# Altium PCB CP_Electronik.PcbDoc
Units mm, origin at the board's own origin, x right, y up, seen from the top; angles counter-clockwise.
Board outline 153.2 x 53.3 mm, 2 copper layers (Top Layer, Bottom Layer), stack 2.071 mm thick; 72 components, 52 nets, 254 pads, 37 vias.
Unrouted connection lines stored in the file: 6.
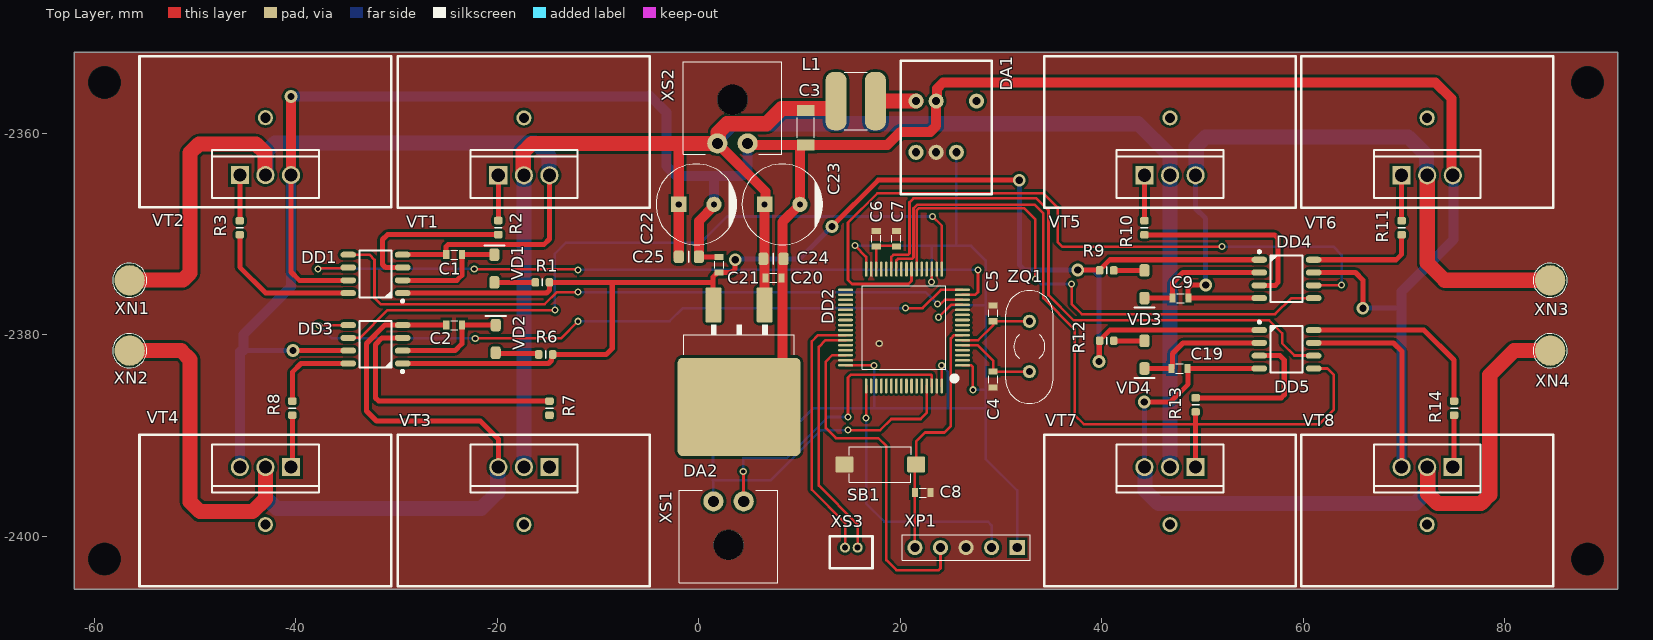
[diagram p0: Top Layer view]
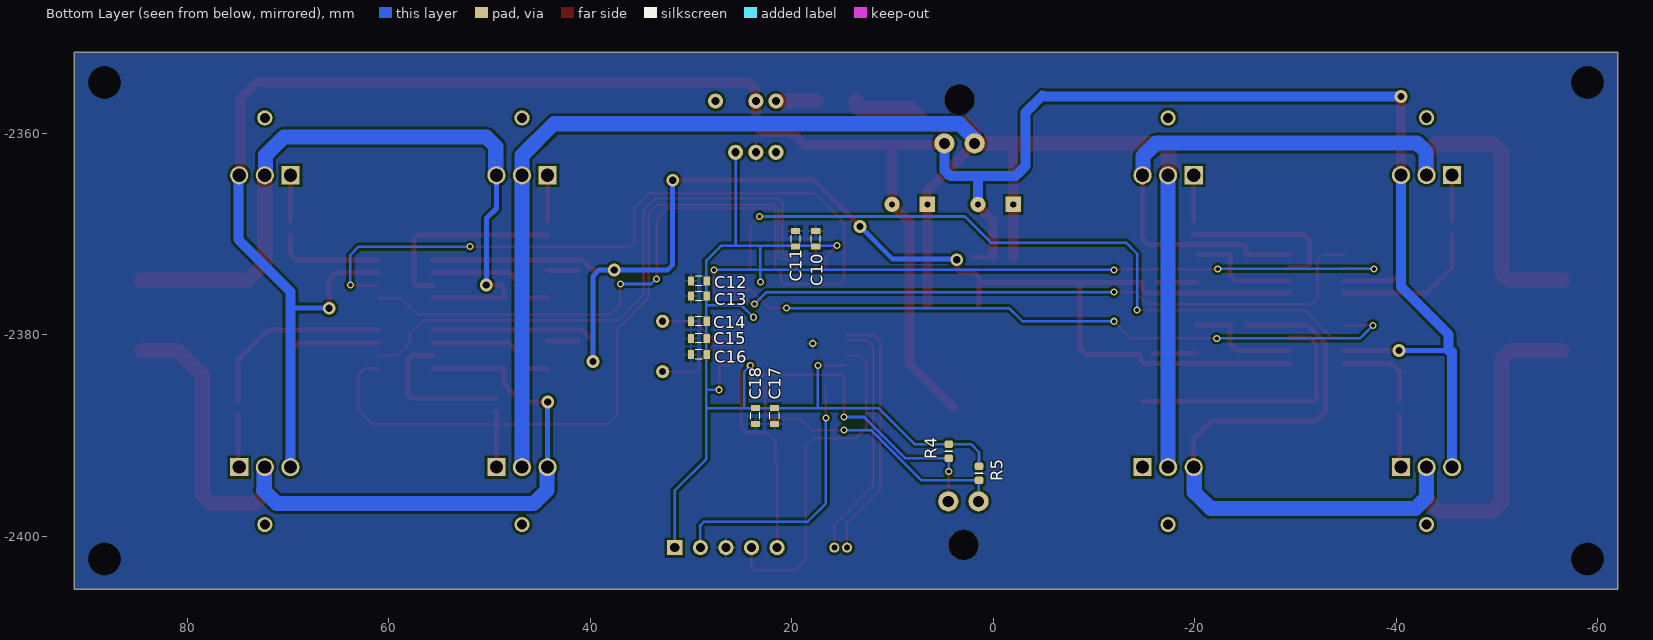
[diagram p1: Bottom Layer view, seen from below]
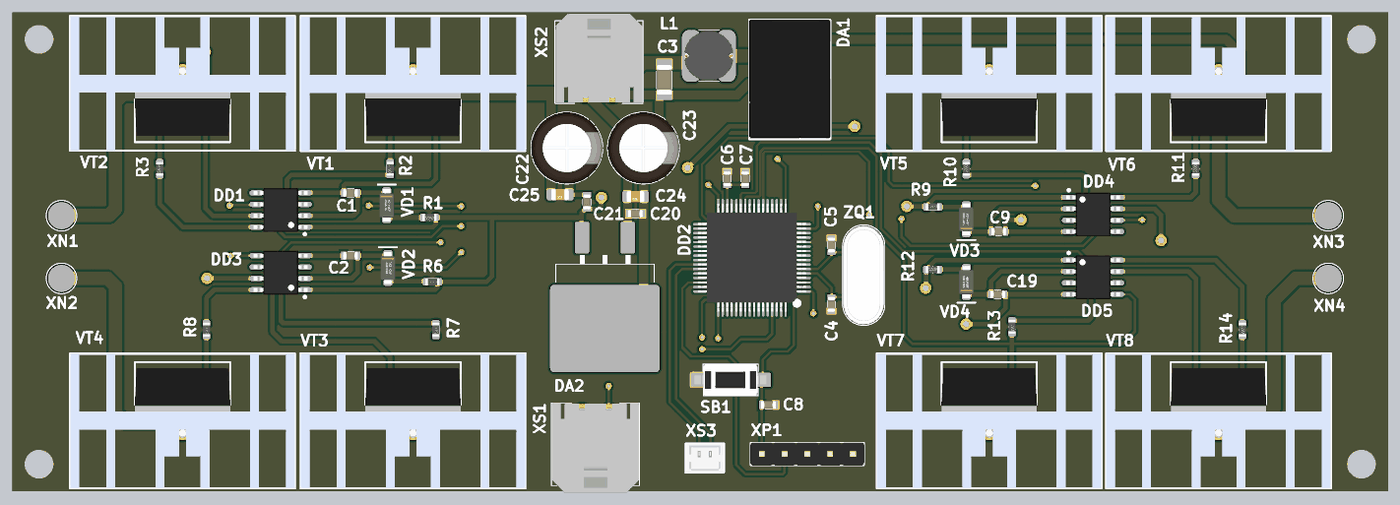
[diagram p2: 3D render of the assembled board from above, using the file's embedded part models]
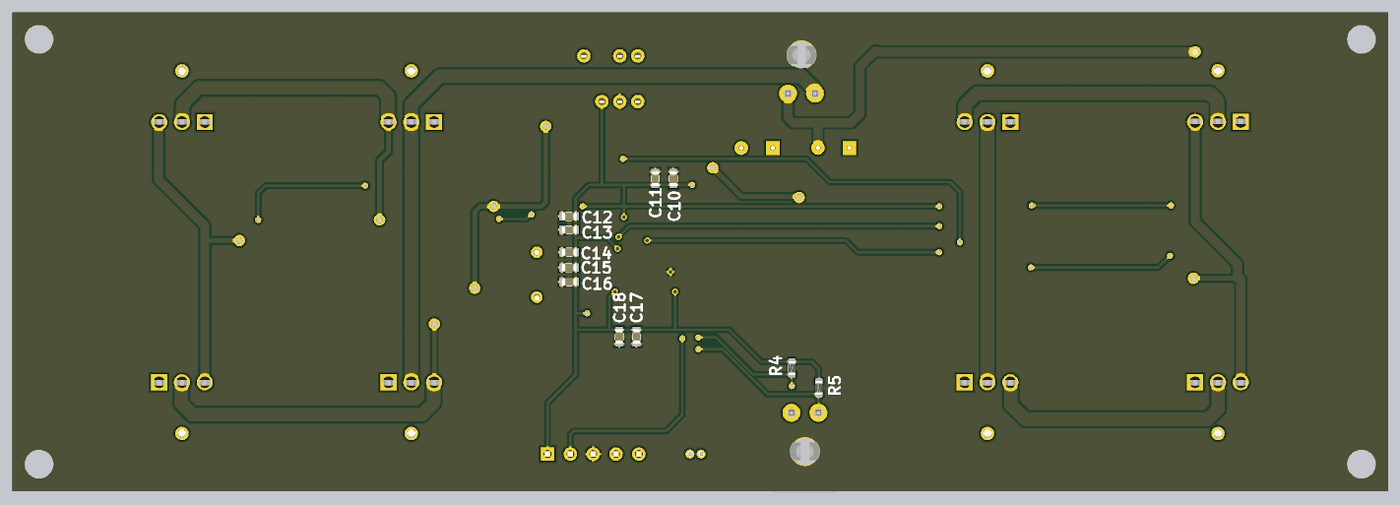
[diagram p3: 3D render of the assembled board from below, using the file's embedded part models]

## Layer stack, top to bottom
Top Solder: solder mask 0.0102, Solder Resist, Dk 3.5
Top Layer: signal copper 0.0356
Dielectric 1: dielectric 2, FR-4, Dk 4.8
Bottom Layer: signal copper 0.0356
Bottom Solder: solder mask 0.0102, Solder Resist, Dk 3.5

## Board outline
-62,-2405.281 -62,-2351.981 91.2,-2351.981 91.2,-2405.281

## Design rules (kind name [scope] priority, off if disabled: settings)
Clearance Clearance_2 [InNamedPolygon('GND_L02_P001')] p1: gap=0.254 ignorepadtopadclearanceinfootprint=FALSE except(0: Arc-Hole Track-Hole SMDPad-Hole THPad-Hole Via-Hole Fill-Hole Poly-Hole Region-Hole Text-Hole)
Clearance Clearance_1 [InNamedPolygon('GND_L01_P000')] p2: gap=0.254 ignorepadtopadclearanceinfootprint=FALSE except(0: Arc-Hole Track-Hole SMDPad-Hole THPad-Hole Via-Hole Fill-Hole Poly-Hole Region-Hole Text-Hole)
Clearance [All] p3 off: gap=0.254 ignorepadtopadclearanceinfootprint=FALSE except(0: Arc-Hole Track-Hole SMDPad-Hole THPad-Hole Via-Hole Fill-Hole Poly-Hole Region-Hole Text-Hole)
Height [All] p1: minheight=0 maxheight=27.94 prefheight=12.7
PolygonConnect PolygonConnect_3 [All vs IsNamedPolygon('GND_L01_P000')] p1: connectstyle=Direct reliefconductorwidth=0.254 reliefentries=4 polygonreliefangle="90 Angle" airgapwidth=0.254
PolygonConnect PolygonConnect_2 [All vs IsNamedPolygon('GND_L01_P000')] p2: connectstyle=Direct reliefconductorwidth=0.254 reliefentries=4 polygonreliefangle="90 Angle" airgapwidth=0.254
PolygonConnect PolygonConnect_1 [All vs IsNamedPolygon('GND_L02_P001')] p3: connectstyle=Relief reliefconductorwidth=0.254 reliefentries=4 polygonreliefangle="90 Angle" airgapwidth=0.254
PolygonConnect [All] p4: connectstyle=Relief reliefconductorwidth=0.254 reliefentries=4 polygonreliefangle="90 Angle" airgapwidth=0.254
RoutingVias [All] p1: holewidth=0.711 width=1.27 viastyle="Through Hole" minholewidth=0.711 minwidth=1.27 maxholewidth=0.711 maxwidth=1.27
SolderMaskExpansion [All] p1: expansion=0.102 istentingtop=FALSE
SupplyNets "Schematic Supply Nets_4" [InNet('GND_24')] p1: voltage=0.000
SupplyNets "Schematic Supply Nets_3" [InNet('GND')] p2: voltage=0.000
SupplyNets "Schematic Supply Nets_2" [InNet('+12 В')] p3: voltage=0.000
SupplyNets "Schematic Supply Nets_1" [InNet('+3.3В')] p4: voltage=0.000
SupplyNets "Schematic Supply Nets" [InNet('+24В')] p5: voltage=0.000
Width [All] p1: maxlimit=2 minlimit=0.1 preferedwidth=0.254 minimp=50.000000 maximp=50.000000 favimp=50.000000
29 further rules are at their usual default settings.

## Classes and differential pairs
component class Block_control: C1 C2 C3 C6 C8 C9 C10 C11 C12 C13 C14 C15 C16 C17 C18 C19 C20 C21 DA1 DA2 DD1 DD2 DD3 DD4 DD5 L1 R1 R2 R3 R4 R5 R6 R7 R8 R9 R10 R11 R12 R13 R14 SB1 VD1 VD2 VD3 VD4 VT1 VT2 VT3 VT4 VT5 VT6 VT7 VT8 XN1 XN2 XN3 XN4 XP1 XS1 XS2 XS3 ZQ1

## Components (designator, comment, footprint, x,y, rotation, side; value= is the part's Value field where it differs from the comment)
C1 "Cap_ceramica_SMD" "0603 Capicator" -24.3,-2372.075 r180 top value=0.15мк
C2 "Cap_ceramica_SMD" "0603 Capicator" -24.3,-2379.06 r180 top value=0.15мк
C3 "Cap_ceramica_SMD" "1206 Capacitor" 10.6,-2359.481 r90 top value=0.1мк
C4 "Cap_ceramica_SMD" "0603 Capicator" 29.2,-2384.461 r270 top value=0.1мк
C5 "Cap_ceramica_SMD" "0603 Capicator" 29.2,-2377.901 r90 top value=0.1мк
C6 "Cap_ceramica_SMD" "0603 Capicator" 17.6,-2370.481 r270 top value=2.2мк
C7 "Cap_ceramica_SMD" "0603 Capicator" 19.604,-2370.481 r270 top value=2.2мк
C8 "Cap_ceramica_SMD" "0603 Capicator" 22.217,-2395.681 r180 top value=0.1мк
C9 "Cap_ceramica_SMD" "0603 Capicator" 47.8,-2376.381 r0 top value=0.15мк
C10 "Cap_ceramica_SMD" "0603 Capicator" 17.6,-2370.481 r270 bottom value=0.1мк
C11 "Cap_ceramica_SMD" "0603 Capicator" 19.604,-2370.481 r270 bottom value=0.1мк
C12 "Cap_ceramica_SMD" "0603 Capicator" 29.2,-2374.681 r180 bottom value=0.1мк
C13 "Cap_ceramica_SMD" "0603 Capicator" 29.2,-2376.181 r180 bottom value=0.1мк
C14 "Cap_ceramica_SMD" "0603 Capicator" 29.2,-2378.681 r180 bottom value=0.1мк
C15 "Cap_ceramica_SMD" "0603 Capicator" 29.2,-2380.381 r180 bottom value=0.1мк
C16 "Cap_ceramica_SMD" "0603 Capicator" 29.2,-2381.981 r180 bottom value=4700
C17 "Cap_ceramica_SMD" "0603 Capicator" 21.7,-2388.081 r90 bottom value=0.1мк
C18 "Cap_ceramica_SMD" "0603 Capicator" 23.604,-2388.081 r90 bottom value=0.1мк
C19 "Cap_ceramica_SMD" "0603 Capicator" 47.7,-2383.37 r0 top value=0.15мк
C20 "Cap_ceramica_SMD" "0603 Capicator" 7.4,-2374.381 r180 top value=0.33мк
C21 "Cap_ceramica_SMD" "0603 Capicator" 2,-2373.061 r270 top value=0.1мк
C22 "ECAP" "ECAP 8x16mm" -2,-2367.081 r0 top
C23 "ECAP" "ECAP 8x16mm" 6.527,-2367.081 r0 top
C24 "Cap_ceramica_SMD" "CAP: 0805 MIN_SILK" 7.4,-2372.481 r180 top value=0.1мк
C25 "Cap_ceramica_SMD" "CAP: 0805 MIN_SILK" -1,-2372.281 r180 top value=0.1мк
DA1 "TDN 1-2410WI" "TDN 1-2410WI" 27.553,-2356.826 r270 top
DA2 "L7812ABD2T-TR" "D2-PAK (TO-262)" 3.987,-2377.055 r180 top
DD1 "IR2011STRPBF" 8-SOIC -32.105,-2373.98 r180 top
DD2 "STM32F401RET6" LQFP64 20.354,-2379.305 r180 top
DD3 "IR2011STRPBF" 8-SOIC -32.105,-2380.965 r180 top
DD4 "IR2011STRPBF" 8-SOIC 58.319,-2374.48 r0 top
DD5 "IR2011STRPBF" 8-SOIC 58.319,-2381.465 r0 top
L1 "22мк" SDR 15.565,-2356.826 r90 top
R1 "4.7" "RES: 0603 Min_Silk" -15.533,-2374.825 r180 top value=4.3
R2 "27" "RES: 0603 Min_Silk" -19.913,-2369.381 r90 top value=22
R3 "27" "RES: 0603 Min_Silk" -45.567,-2369.399 r90 top value=22
R4 "27" "RES: 0603 Min_Silk" 4.4,-2391.581 r90 bottom value=1.1к
R5 "27" "RES: 0603 Min_Silk" 1.4,-2393.781 r90 bottom value=1.1к
R6 "4.7" "RES: 0603 Min_Silk" -15.214,-2381.981 r180 top value=4.3
R7 "27" "RES: 0603 Min_Silk" -14.833,-2387.306 r270 top value=22
R8 "27" "RES: 0603 Min_Silk" -40.36,-2387.306 r270 top value=22
R9 "4.7" "RES: 0603 Min_Silk" 40.477,-2373.635 r0 top value=4.3
R10 "22" "RES: 0603 Min_Silk" 44.222,-2369.399 r90 top
R11 "22" "RES: 0603 Min_Silk" 69.749,-2369.399 r90 top
R12 "4.7" "RES: 0603 Min_Silk" 40.477,-2380.62 r0 top value=4.3
R13 "22" "RES: 0603 Min_Silk" 49.302,-2386.981 r270 top
R14 "22" "RES: 0603 Min_Silk" 74.952,-2387.306 r270 top
SB1 "But" "BUTTON 6x3.5" 14.439,-2392.894 r90 top
VD1 "Schottky Diode" "DIODE: SOD123LF" -20.3,-2373.45 r270 top
VD2 "Schottky Diode" "DIODE: SOD123LF" -20.167,-2380.435 r270 top
VD3 "Schottky Diode" "DIODE: SOD123LF" 44.222,-2375.01 r90 top
VD4 "Schottky Diode" "DIODE: SOD123LF" 44.222,-2381.995 r90 top
VT1 "IRL3705ZPBF" TO-220 -17.373,-2364.192 r0 top
VT2 "IRL3705ZPBF" TO-220 -43.027,-2364.177 r0 top
VT3 "IRL3705ZPBF" TO-220 -17.373,-2393.163 r180 top
VT4 "IRL3705ZPBF" TO-220 -43.027,-2393.163 r180 top
VT5 "IRL3705ZPBF" TO-220 46.762,-2364.192 r0 top
VT6 "IRL3705ZPBF" TO-220 72.289,-2364.192 r0 top
VT7 "IRL3705ZPBF" TO-220 46.762,-2393.163 r180 top
VT8 "IRL3705ZPBF" TO-220 72.289,-2393.163 r180 top
XN1 "Soldered connector" "CON: Pad 3mm" -56.5,-2374.615 r0 top
XN2 "Soldered connector" "CON: Pad 3mm" -56.5,-2381.6 r0 top
XN3 "Soldered connector" "CON: Pad 3mm" 84.5,-2374.615 r0 top
XN4 "Soldered connector" "CON: Pad 3mm" 84.5,-2381.6 r0 top
XP1 "DS1021-1x5" "PLS 5x1" 31.597,-2401.149 r180 top
XS1 "Micro-Fit 3.0" "MolexMicroFit 2x1" 1.447,-2396.557 r0 top
XS2 "Micro-Fit 3.0" "MolexMicroFit 2x1" 4.828,-2361.019 r180 top
XS3 "SCT1251WV-2P" "Con UART" 13.254,-2401.149 r0 top
ZBOAS318886786 "Слой 2" "BOASVIEWlayer:Bottom Layer:2:1:32:1" 0,-275 r0 top (schematic designator fewf)
ZBOAS319293416 "Слой 1" "BOASVIEWlayer:Top Layer:2:1:1:1" 0.1,-106.6 r0 top (schematic designator fewf)
ZBOAS1834697613 "Comment" "BOASVIEWside:Вид платы слева:2:0:0:0" 385,0 r0 top
ZQ1 "Oscillator (4 pin, 2 use)" R38 32.8,-2381.181 r0 top value="8 МГц"

## Footprints (in the part's own frame and the unit in brackets; to place one, negate y for a bottom-side part, rotate by r counter-clockwise, add the part's x,y. Pads: shape width x height; smd on the part's side, far side on the other; paste and mask are expansions set on the pad)
8-SOIC [mm]
  rrect100% 1.55x0.6 smd: 1(-2.7,1.905) 2(-2.7,0.635) 3(-2.7,-0.635) 4(-2.7,-1.905) 5(2.7,-1.905) 6(2.7,-0.635) 7(2.7,0.635) 8(2.7,1.905)
  round 0.7 on Mech1: 28(-2.395,1.8)
  silkscreen extent -2.82,-2.3 1.61,2.82, body extent -3,-2.45 3,2.45, height 1.75
"0603 Capicator" [mm]
  rect 0.6x0.9 smd: 1(-0.78,0) 2(0.78,0)
  silkscreen extent -0.35,-0.45 0.35,0.45, body extent -0.82,-0.45 0.88,0.45, height 0.9
"1206 Capacitor" [mm]
  rect 1.1x1.7 smd: 1(-1.7,0) 2(1.7,0)
  silkscreen extent -1,-0.85 1,0.85, body extent -1.68,-0.87 1.67,0.87, height 1
"BOASVIEWlayer:Bottom Layer:2:1:32:1" [mm]
"BOASVIEWlayer:Top Layer:2:1:1:1" [mm]
"BOASVIEWside:Вид платы слева:2:0:0:0" [mm]
"BUTTON 6x3.5" [mm]
  rrect20% 1.6x1.8 smd: 1(0,0) 2(0,-7.125)
  silkscreen extent -1.75,-6.63 1.75,-0.48, body extent -1.75,-7.52 1.75,0.48, height 4.3
"CAP: 0805 MIN_SILK" [mm]
  rrect50% 1x1.25 smd: 1(-1,0) 2(1,0)
  silkscreen extent 0,-0.55 0,0.55, body extent -1,-0.62 1,0.63, height 0.78
"Con UART" [mm]
  round 1 hole 0.6: 1(1.25,0) 2(2.5,0)
  silkscreen extent -0.28,-2.05 3.98,1.15, body extent -0.28,-2.05 3.97,1.15, height 4.28
"CON: Pad 3mm" [mm]
  round 3 smd: 1(0,0)
  silkscreen extent -1.7,-1.7 1.7,1.7
"D2-PAK (TO-262)" [mm]
  rrect20% 1.6x3.5 smd: 1(-2.54,0) 3(2.54,0)
  rrect10% 12.2x9.75 smd: 2(0,10.125)
  silkscreen extent -5.48,1.92 5.48,4.95, body extent -5.33,-1.27 5.34,13.97, height 4.83
"DIODE: SOD123LF" [mm]
  rrect50% 1.25x1 smd: 1(-1.375,0) 2(1.375,0)
  silkscreen extent -2.3,-1 -2.3,1, body extent -1.8,-0.83 1.8,0.82, height 0.95
"ECAP 8x16mm" [mil]
  round 60 hole 23.62: 1(137.8,0)
  rect 60x60 hole 23.62: 2(0,0)
  silkscreen extent -89,-157 226,157, body extent -89,-157 226,157, height 634
LQFP64 [mm]
  oval 1.5x0.254 smd paste+0 mask+0.02: 1(-5.8,3.75) 2(-5.8,3.25) 3(-5.8,2.75) 4(-5.8,2.25) 5(-5.8,1.75) 6(-5.8,1.25) 7(-5.8,0.75) 8(-5.8,0.25) 9(-5.8,-0.25) 10(-5.8,-0.75) 11(-5.8,-1.25) 12(-5.8,-1.75) 13(-5.8,-2.25) 14(-5.8,-2.75) 15(-5.8,-3.25) 16(-5.8,-3.75) 33(5.8,-3.75) 34(5.8,-3.25) 35(5.8,-2.75) 36(5.8,-2.25) 37(5.8,-1.75) 38(5.8,-1.25) 39(5.8,-0.75) 40(5.8,-0.25) 41(5.8,0.25) 42(5.8,0.75) 43(5.8,1.25) 44(5.8,1.75) 45(5.8,2.25) 46(5.8,2.75) 47(5.8,3.25) 48(5.8,3.75)
  oval 0.254x1.5 smd paste+0 mask+0.02: 17(-3.75,-5.8) 18(-3.25,-5.8) 19(-2.75,-5.8) 20(-2.25,-5.8) 21(-1.75,-5.8) 22(-1.25,-5.8) 23(-0.75,-5.8) 24(-0.25,-5.8) 25(0.25,-5.8) 26(0.75,-5.8) 27(1.25,-5.8) 28(1.75,-5.8) 29(2.25,-5.8) 30(2.75,-5.8) 31(3.25,-5.8) 32(3.75,-5.8) 49(3.75,5.8) 50(3.25,5.8) 51(2.75,5.8) 52(2.25,5.8) 53(1.75,5.8) 54(1.25,5.8) 55(0.75,5.8) 56(0.25,5.8) 57(-0.25,5.8) 58(-0.75,5.8) 59(-1.25,5.8) 60(-1.75,5.8) 61(-2.25,5.8) 62(-2.75,5.8) 63(-3.25,5.8) 64(-3.75,5.8)
  silkscreen extent -5.2,-4.15 4.15,5.25, body extent -6,-6.02 6,5.98, height 1.56
"MolexMicroFit 2x1" [mm]
  round 2 hole 1.1: 1(3,0) 2(0,0)
  round 3 hole 3: A(1.5,-4.32)
  silkscreen extent -3.4,-8.1 6.4,1.1, body extent -3.33,-8.9 6.33,1, height 5.64
"PLS 5x1" [mm] "Connector; Header; 5 Position"
  rect 1.5x1.5 hole 0.9: 1(0,0)
  round 1.5 hole 0.9: 2(2.54,0) 3(5.08,0) 4(7.62,0) 5(10.16,0)
  silkscreen extent -1.27,-1.27 11.43,1.27, body extent -1.28,-1.28 11.42,1.26, height 8.54
R38 [mm] "Crystal"
  round 1.3 hole 0.7: 1(0,2.5) 2(0,-2.5)
  silkscreen extent -2.35,-5.65 2.35,5.55, body extent -2.26,-5.56 2.24,5.44, height 4
"RES: 0603 Min_Silk" [mm]
  rrect50% 0.75x0.85 smd: 1(-0.7,0) 2(0.7,0)
  silkscreen extent 0,-0.35 0,0.35, body extent -0.8,-0.4 0.8,0.4, height 0.44
SDR [mm]
  rrect80% 5.8x2.1 smd: 1(0,1.95) 2(0,-1.95)
  silkscreen extent -2.85,-1.12 2.85,1.12, body extent -2.8,-2.75 2.8,2.75, height 4.55
"TDN 1-2410WI" [mm]
  round 1.5 hole 0.8: 1(0,-6) 2(0,-4) 4(0,0) 5(5.08,-6) 6(5.08,-4) 7(5.08,-2)
  silkscreen extent -4,-7.5 9.25,1.5, body extent -4.02,-7.54 9.18,1.56, height 10.07
TO-220 [mm] "TO, Thru-Hole, Vertical, Heatsink Mounted; 3 In-Line Leads; Pitch 2.54 mm"
  rect 1.8x1.8 hole 1.3: 1(-2.54,0)
  round 1.8 hole 1.3: 2(2.54,0) 3(0,0)
  round 1.5 hole 1: 4(0,5.7)
  silkscreen extent -12.5,-3.2 12.5,11.8, body extent -12.5,-3.25 12.5,11.75, height 26.5

## Part data
C1 C2 C3 C4 C5 C6 C7 C8 C9 C10 C11 C12 C13 C14 C15 C17 C18 C19 C20 C21 C24 C25: library part Cap_ceramica_SMD_2, "Capacitor ceramic SMD", Part Number=CL05B104KP5NNNC, Voltage=10
C16: library part Cap_ceramica_SMD_1, "Capacitor ceramic SMD", Part Number=CL05B471KB5NNNC, Voltage=50
DA1: library part "TDL 2-2410"
DA2: "LDO Regulator", Part Number=L7812ABD2T-TR
DD1 DD3 DD4 DD5: "HIGH AND LOW SIDE DRIVER", Part Number=IRS21867S
L1: library part "Inductor 10uH (1.5A)", "10uH, D=5.8mm, 1450mA", Manufacturer="TCK-130 [] TRACOPOWER", Part Number=SDR0604-100ML, ComponentLink1Description=DataSheet, ComponentLink1URL=http://www.farnell.com/datasheets/1635216.pdf, ComponentLink2Description=Chip&Dip, ComponentLink2URL=https://www.chipdip.ru/product/sdr0604-100ml, Type=Inductor
R1 R2 R3 R4 R5 R6 R7 R8 R9 R10 R11 R12 R13 R14: library part Resistor_SMD_1, "Resistor SMD", Part Number=ERJPA3J1R8V
SB1: library part "Button 2 Conn", "Button 2 Conn SMD", Manufacturer="KLS electronic co ltd", Part Number=L-KLS7-TS3608-5.0-180, ComponentLink1Description=Chip&Dip, ComponentLink1URL=https://www.chipdip.ru/product/kls7-ts3608-5.0-180-td-02xa, Type=Button
VD1 VD2 VD3 VD4: Part Number=MBR130LSFT1G
VT1 VT2 VT3 VT4 VT5 VT6 VT7 VT8: library part MOSFET
XP1: library part "4-pin (Female)", Part Number=PBS-4, Pin 1="+3.3 В", Pin 2=SWDIO, Pin 3=SWCLK, Pin 4=GND
XS1: library part "Con I2C", Parameter 1=0603
XS2: library part "Con 2 MicroFit"
XS3: library part "Con UART"
ZQ1: "Quartz Crystal", Part Number=1C208000CE0Q

## Free pads (board coordinates)
  round 1.524 hole 3.2: 3(-59,-2402.281) 3(-59,-2354.981) 3(88.2,-2402.281) 3(88.2,-2354.981)

## Via types
v1: diameter 0.7, hole 0.4, Top Layer to Bottom Layer, 27 vias
v2: diameter 1.27, hole 0.711, Top Layer to Bottom Layer, 10 vias

## Nets (pads, with @x,y where several pads share a name; then routed paths per layer and width w, separated by ;. In a path a pad name is that pad's centre, name@x,y a point inside that pad or via, vN(x,y) a via of type N, cw(c..) or ccw(c..) an arc to the next point about the centre after c; other vN are vias at no path point)
+3.3В: C10.2 C11.2 C12.2 C13.2 C14.2 C15.2 C16.2 C17.2 C18.2 DA1.7 DD2.1 DD2.13 DD2.19 DD2.32 DD2.48 DD2.64 R4.2 R5.2 XP1.1 | length 112.2
  Top Layer w0.254: DD2.48 17.374,-2383.055 v1(17.4,-2383.081) ; v1(15.5,-2371.181) 16.604,-2372.285 DD2.32 ; v1(23.1,-2374.781) 23.104,-2374.777 DD2.19 ; v1(23.8,-2378.281) 25.026,-2377.055 DD2.13 ; v1(24.102,-2383.083) 24.104,-2383.085 DD2.64 ; DD2.1 27.051,-2383.055 27.2,-2383.204 v1(27.2,-2385.481)
  Bottom Layer w0.254: R5.2 1.4,-2391.681 2.2,-2390.881 R4.2 7.8,-2390.881 11.375,-2387.306 17.4,-2387.306 ; v1(15.5,-2371.181) 15.514,-2371.195 17.6,-2371.195 19.604,-2371.195 23.077,-2371.195 ; v1(17.4,-2383.081) 17.4,-2387.306 ; v1(23.1,-2374.781) 23.1,-2371.218 23.077,-2371.195 ; v1(23.8,-2378.281) 25,-2377.081 28.464,-2377.081 ; v1(24.102,-2383.083) 24.7,-2383.681 24.7,-2387.252 24.646,-2387.306 ; DA1.7 25.553,-2371.156 25.593,-2371.195 ; v1(27.2,-2385.481) 28.464,-2385.481 ; 28.464,-2382.988 28.464,-2385.481 ; C14.2@28.464,-2378.289 28.464,-2377.081 ; XP1.1 31.597,-2395.478 28.464,-2392.345 28.464,-2387.281 ; 17.4,-2387.306 24.646,-2387.306 ; 23.077,-2371.195 24.171,-2371.195 25.593,-2371.195 ; 24.646,-2387.306 28.439,-2387.306 28.464,-2387.281 ; 25.593,-2371.195 27.014,-2371.195 28.464,-2372.645 28.464,-2374.681 28.464,-2376.181 28.464,-2377.081 ; 28.464,-2387.281 28.464,-2385.481
"+12 В": C21.2 DA2.3 DD1.1 DD3.1 DD4.1 DD5.1 R1.1 R6.1 R9.1 R12.1 | length 159.8
  Top Layer w0.5: DD3.1 -14.932,-2382.87 -14.639,-2382.577 -14.639,-2382.106 R6.1 -9.2,-2381.981 -8.6,-2381.381 -8.6,-2374.925 -8.5,-2374.825 ; DD1.1 -15.126,-2375.885 -14.833,-2375.592 R1.1 -8.5,-2374.825 ; DA2.3 1.38,-2376.988 1.38,-2374.825 ; v2(3.6,-2372.581) 3.6,-2373.481 3.24,-2373.841 C21.2 1.85,-2373.841 1.38,-2374.312 1.38,-2374.825 ; v2(13.2,-2369.281) 17.8,-2364.681 v2(31.8,-2364.681) ; v2(37.6,-2373.581) 37.627,-2373.608 39.75,-2373.608 R9.1 39.777,-2373.585 40.787,-2372.575 DD4.1 ; v2(39.7,-2382.681) 39.739,-2382.643 39.739,-2380.659 R12.1 39.777,-2380.57 40.787,-2379.56 DD5.1 ; -8.5,-2374.825 1.38,-2374.825
  Bottom Layer w0.5: v2(3.6,-2372.581) 3.7,-2372.481 10,-2372.481 v2(13.2,-2369.281) ; v2(31.8,-2364.681) 31.8,-2373.081 32.3,-2373.581 v2(37.6,-2373.581) 39.1,-2373.581 39.7,-2374.181 v2(39.7,-2382.681)
+24В: C3.2 C20.2 C22.2 C23.2 C24.2 C25.2 DA2.1 L1.1 VT1.3 VT3.3 VT5.3 VT7.3 XS2.1 | length 172.7
  Top Layer w1: -2.1,-2361.019 -2,-2361.119 C22.2 C25.2 ; XS2.1 6.6,-2365.791 C23.2@6.6,-2366.94 ; DA2.1 C23.2
  Top Layer w1.5: VT1.3 -17.43,-2364.135 -17.43,-2361.898 -16.552,-2361.019 -2.1,-2361.019 XS2.1 1.924,-2360.923 1.924,-2359.96 2.802,-2359.081 6.7,-2359.081 8.2,-2357.581 13.322,-2357.581 13.615,-2357.288 L1.1
  Bottom Layer w1.5: VT3.3 VT1.3 ; XS2.1 1.924,-2360.923 1.924,-2360.514 3.357,-2359.081 43.6,-2359.081 46.762,-2362.243 VT5.3 VT7.3
GND: C4.2 C5.2 C6.1 C7.1 C8.1 C10.1 C11.1 C12.1 C13.1 C14.1 C15.1 C16.1 C17.1 C18.1 DA1.6 DD2.12 DD2.18 DD2.31 DD2.47 DD2.63 SB1.1 XP1.3 | length 4.7
  Bottom Layer w0.254: 28.464,-2382.988 28.464,-2380.639 28.464,-2378.289
  other v1: 17.9,-2380.881
GND_24: C3.1 C20.1 C21.1 C22.1 C23.1 C24.1 C25.1 DA1.2 DA2.2 DD1.7 DD3.7 DD4.7 DD5.7 VT2.2 VT4.2 VT6.2 VT8.2 XS2.2 | length 305.6
  Top Layer w0.5: VT2.2 -40.487,-2373.794 -39.666,-2374.615 DD1.7 ; v2(-40.3,-2381.581) -40.291,-2381.591 -34.814,-2381.591 DD3.7 ; C25.1 C21.1 ; DD5.7 68.949,-2380.83 69.8,-2381.681 69.8,-2393.112 VT8.2 ; DD4.7 65.164,-2373.845 65.9,-2374.581 v2(65.9,-2377.381)
  Top Layer w1: v2(-40.5,-2356.381) -40.493,-2356.388 -40.493,-2364.171 VT2.2 ; C25.1 0,-2368.723 1.5,-2367.223 C22.1 ; DA2.2 8.3,-2382.867 8.3,-2368.808 C23.1 10.027,-2361.254 C3.1@10.1,-2361.181 ; XS2.2 4.99,-2361.181 C3.1@10.1,-2361.181 ; C3.1@10.45,-2361.231 C3.1@10.4,-2361.181 ; VT6.2 74.7,-2364.063 74.7,-2356.581 73.1,-2354.981 24.234,-2354.981 23.649,-2355.567 23.649,-2356.73 DA1.2 23.553,-2359.295 22.967,-2359.881 20,-2359.881 18.7,-2361.181 C3.1 C3.1@10.4,-2361.181 ; C3.1@10.1,-2361.181 C3.1@10.4,-2361.181
  Bottom Layer w0.5: -45.567,-2381.681 -45.467,-2381.581 v2(-40.3,-2381.581) ; v2(65.9,-2377.381) 69.749,-2377.381
  Bottom Layer w1: VT4.2 -45.567,-2381.681 ; -45.2,-2381.581 -45.2,-2379.981 -40.487,-2375.268 VT2.2 ; v2(-40.5,-2356.381) -5,-2356.381 -4.9,-2356.281 -3.2,-2357.981 -3.2,-2363.281 -2.2,-2364.281 1.5,-2364.281 ; C22.1 1.5,-2364.281 ; XS2.2 4.828,-2363.695 4.242,-2364.281 1.5,-2364.281 ; VT8.2 69.749,-2377.381 69.749,-2375.732 74.9,-2370.581 74.9,-2364.263 VT6.2
HIN1_Motor1: DD1.5 DD2.14 | length 66.4
  Top Layer w0.254: DD1.5 -32.706,-2372.075 -32.2,-2372.581 -32.2,-2376.381 -31.6,-2376.981 -15.3,-2376.981 -14.1,-2375.781 v1(-12,-2375.781) ; v1(23.7,-2376.981) 23.975,-2376.981 24.401,-2376.555 DD2.14
  Bottom Layer w0.254: v1(-12,-2375.781) 22.5,-2375.781 v1(23.7,-2376.981)
HIN1_Motor2: DD2.22 DD4.5 | length 55
  Top Layer w0.254: DD2.22 21.604,-2367.677 21.8,-2367.481 32.3,-2367.481 33.4,-2368.581 v1(33.4,-2374.481) ; v1(37,-2374.981) 37,-2376.981 38,-2377.981 57.2,-2377.981 58.8,-2376.381 61.015,-2376.381 DD4.5
  Bottom Layer w0.254: v1(33.4,-2374.481) 33.434,-2374.481 33.934,-2374.981 v1(37,-2374.981)
HIN2_Motor1: DD2.16 DD3.5 | length 69.3
  Top Layer w0.254: v1(-37.7,-2379.081) -37.689,-2379.071 -34.816,-2379.071 DD3.5 ; v1(-22.2,-2380.381) -13.7,-2380.381 v1(-12,-2378.681) ; v1(20.5,-2377.381) 22.2,-2377.381 24.026,-2375.555 DD2.16
  Bottom Layer w0.254: v1(-37.7,-2379.081) -36.4,-2380.381 v1(-22.2,-2380.381) ; v1(-12,-2378.681) -2.9,-2378.681 -1.6,-2377.381 v1(20.5,-2377.381)
HIN2_Motor2: DD2.26 DD5.5 | length 74.6
  Top Layer w0.254: DD2.26 19.604,-2372.63 19.753,-2372.481 21.151,-2372.481 21.3,-2372.332 21.3,-2367.481 21.651,-2367.13 33.349,-2367.13 34.2,-2367.981 34.2,-2376.381 37.3,-2379.481 37.3,-2387.981 38.2,-2388.881 61.6,-2388.881 63,-2387.481 63,-2383.981 62.389,-2383.37 DD5.5
I2C_SCL: DD2.61 R5.1 XS1.2 | length 28.7
  Top Layer w0.254: v1(14.8,-2389.481) 18,-2389.481 19.1,-2388.381 22,-2388.381 22.604,-2387.777 DD2.61
  Bottom Layer w0.254: XS1.2 1.423,-2396.534 1.423,-2394.505 R5.1 7.1,-2394.481 12.1,-2389.481 v1(14.8,-2389.481)
I2C_SDA: DD2.62 R4.1 XS1.1 | length 29.8
  Top Layer w0.254: v1(4.4,-2393.581) 4.423,-2393.605 4.423,-2396.534 XS1.1 ; v1(14.8,-2388.181) 14.8,-2384.281 15.1,-2383.981 23.055,-2383.981 23.104,-2384.03 DD2.62
  Bottom Layer w0.254: v1(4.4,-2393.581) R4.1 8.7,-2392.281 12.8,-2388.181 v1(14.8,-2388.181)
LIN1_Motor1: DD1.6 DD2.15 | length 72.5
  Top Layer w0.254: v1(-37.8,-2373.481) -37.73,-2373.411 -34.871,-2373.411 DD1.6 ; v1(-22.3,-2373.481) -22.25,-2373.531 -12.05,-2373.531 v1(-12,-2373.581) ; DD2.15 27.426,-2376.055 27.7,-2375.781 v1(27.7,-2373.581)
  Bottom Layer w0.254: v1(-37.8,-2373.481) v1(-22.3,-2373.481) ; v1(-12,-2373.581) v1(27.7,-2373.581)
LIN1_Motor2: DD2.23 DD4.6 | length 74
  Top Layer w0.254: DD2.23 21.104,-2374.677 20.8,-2374.981 15.2,-2374.981 14.8,-2374.581 14.8,-2368.881 17.7,-2365.981 34.2,-2365.981 35.6,-2367.381 35.6,-2370.832 36.049,-2371.281 v1(51.9,-2371.281) ; DD4.6 61.036,-2375.098 63.783,-2375.098 v1(63.8,-2375.081)
  Bottom Layer w0.254: v1(51.9,-2371.281) 63,-2371.281 63.8,-2372.081 v1(63.8,-2375.081)
LIN2_Motor1: DD2.17 DD3.6 | length 71.9
  Top Layer w0.254: DD3.6 -33.649,-2380.33 -30.9,-2377.581 v1(-14.3,-2377.581) ; v1(23.2,-2368.281) 24.104,-2369.185 DD2.17
  Bottom Layer w0.254: v1(-14.3,-2377.581) -14.3,-2371.981 -13.2,-2370.881 0.2,-2370.881 2.8,-2368.281 v1(23.2,-2368.281)
LIN2_Motor2: DD2.27 DD5.6 | length 60.5
  Top Layer w0.254: DD2.27 19.104,-2372.277 19.3,-2372.081 20.751,-2372.081 20.9,-2371.932 20.9,-2366.881 21.3,-2366.481 33.5,-2366.481 34.7,-2367.681 34.7,-2376.081 37.2,-2378.581 56.6,-2378.581 57.9,-2379.881 57.9,-2380.881 59.1,-2382.081 61,-2382.081 DD5.6
NetC1_1: C1.1 DD1.2 VD1.1 | length 11.4
  Top Layer w0.5: DD1.2 -24.034,-2374.615 -23.531,-2374.112 -23.531,-2372.075 VD1.1 VD1.1@-20.362,-2372.013
NetC1_2: C1.2 DD1.4 VT1.2 VT2.3 XN1.1 | length 83.9
  Top Layer w0.5: DD1.4 -25.091,-2372.075 -25.091,-2371.274 -24.898,-2371.081 -15.4,-2371.081 -14.833,-2370.514 VT1.2
  Top Layer w1.5: XN1.1 -56.466,-2374.581 -51.2,-2374.581 -50.5,-2373.881 -50.5,-2361.96 -49.621,-2361.081 -43.963,-2361.081 -43.084,-2361.96 -43.084,-2364.12 VT2.3
  Bottom Layer w1.5: VT2.3 -42.97,-2364.12 -42.97,-2361.86 -42.091,-2360.981 -16.2,-2360.981 -14.89,-2362.291 -14.89,-2364.135 VT1.2
NetC2_1: C2.1 DD3.2 VD2.1 | length 11.4
  Top Layer w0.5: DD3.2 -24.219,-2381.6 -23.531,-2380.912 -23.531,-2379.06 VD2.1
NetC2_2: C2.2 DD3.4 VT3.2 VT4.3 XN2.1 | length 94.1
  Top Layer w0.5: C2.2@-25.18,-2379.06 DD3.4 -31.179,-2379.06 -33,-2380.881 -33,-2387.581 -32,-2388.581 -21.7,-2388.581 -19.913,-2390.368 VT3.2
  Top Layer w1.5: XN2.1 -51.379,-2381.6 -50.5,-2382.479 -50.5,-2396.602 -49.521,-2397.581 -44.3,-2397.581 -43.032,-2396.313 -43.032,-2393.168 VT4.3
  Bottom Layer w1.5: VT4.3 -43.027,-2396.154 -41.9,-2397.281 -21.6,-2397.281 -19.97,-2395.651 -19.97,-2393.22 VT3.2
NetC4_1: C4.1 DD2.5 ZQ1.2 | length 8.3
  Top Layer w0.254: DD2.5 27.674,-2381.055 29.236,-2382.617 29.236,-2383.532 29.385,-2383.681 ZQ1.2
NetC5_1: C5.1 DD2.6 ZQ1.1 | length 7.6
  Top Layer w0.254: DD2.6 27.726,-2380.555 29.194,-2379.087 29.194,-2378.83 29.343,-2378.681 ZQ1.1
NetC9_1: C9.1 DD4.2 VD3.1 | length 13.3
  Top Layer w0.5: VD3.1 46.998,-2376.385 46.998,-2374.883 48.036,-2373.845 DD4.2
NetC9_2: C9.2 DD4.4 VT5.2 VT6.3 XN3.1 | length 71.8
  Top Layer w0.5: v2(50.3,-2375.081) 48.851,-2375.081 48.558,-2375.374 48.558,-2376.385 DD4.4
  Top Layer w1.5: VT6.3 72.289,-2372.87 74.034,-2374.615 XN3.1
  Bottom Layer w0.5: VT5.2 49.3,-2364.194 49.3,-2367.481 50.3,-2368.481 v2(50.3,-2375.081)
  Bottom Layer w1.5: VT5.2 49.359,-2364.135 49.359,-2361.322 50.3,-2360.381 70.4,-2360.381 72.2,-2362.181 72.2,-2362.581 72.232,-2362.613 72.232,-2364.135 VT6.3
NetC19_1: C19.1 DD5.2 VD4.1 | length 13.3
  Top Layer w0.5: VD4.1 46.998,-2383.37 46.998,-2381.883 48.051,-2380.83 DD5.2
NetC19_2: C19.2 DD5.4 VT7.2 VT8.3 XN4.1 | length 82.6
  Top Layer w0.5: v2(44.2,-2386.681) 46.8,-2386.681 48.558,-2384.923 48.558,-2383.37 DD5.4
  Top Layer w1.5: VT8.3 72.346,-2393.22 72.346,-2395.827 73.3,-2396.781 77.621,-2396.781 78.5,-2395.902 78.5,-2384 80.9,-2381.6 XN4.1
  Bottom Layer w0.5: v2(44.2,-2386.681) 44.211,-2386.692 44.211,-2393.152 VT7.2
  Bottom Layer w1.5: VT7.2 44.279,-2393.22 44.279,-2395.46 45.6,-2396.781 71.1,-2396.781 72.4,-2395.481 72.4,-2395.381 72.346,-2395.327 72.346,-2393.22 VT8.3
NetDA1_1: DA1.1 L1.2 | length 4
  Top Layer w1.5: L1.2 DA1.1
NetDD1_3: DD1.3 R2.1 | length 16.3
  Top Layer w0.5: DD1.3 -31.107,-2373.345 -31.4,-2373.052 -31.4,-2370.574 -30.907,-2370.081 R2.1
NetDD1_8: DD1.8 R3.1 | length 15
  Top Layer w0.5: R3.1 -45.567,-2373.314 -42.996,-2375.885 DD1.8
NetDD3_3: DD3.3 R7.1 | length 25.7
  Top Layer w0.5: DD3.3 -31.449,-2380.33 -32.1,-2380.981 -32.1,-2386.288 -31.807,-2386.581 -14.858,-2386.581 R7.1
NetDD3_8: DD3.8 R8.1 | length 8.8
  Top Layer w0.5: R8.1 -40.36,-2383.741 -39.489,-2382.87 DD3.8
NetDD4_3: DD4.3 R10.1 | length 19.8
  Top Layer w0.5: R10.1 57.125,-2370.099 57.5,-2370.474 57.5,-2374.822 57.207,-2375.115 DD4.3
NetDD4_8: DD4.8 R11.1 | length 10.9
  Top Layer w0.5: DD4.8 69.206,-2372.575 69.749,-2372.032 R11.1
NetDD5_3: DD5.3 R13.1 | length 15
  Top Layer w0.5: R13.1@49.352,-2386.281 57.807,-2386.281 58.1,-2385.988 58.1,-2382.519 57.681,-2382.1 DD5.3
NetDD5_8: DD5.8 R14.1 | length 19.2
  Top Layer w0.5: DD5.8 71.979,-2379.56 74.952,-2382.533 R14.1
NetR1_2: R1.2 VD1.2 | length 4.1
  Top Layer w0.5: VD1.2 R1.2
NetR2_2: R2.2 VT1.1 | length 4.5
  Top Layer w0.5: R2.2 VT1.1
NetR3_2: R3.2 VT2.1 | length 4.5
  Top Layer w0.5: R3.2 VT2.1
NetR6_2: R6.2 VD2.2 | length 4.3
  Top Layer w0.5: VD2.2 -20.082,-2381.896 -16,-2381.896 R6.2
NetR7_2: R7.2 VT3.1
NetR8_2: R8.2 VT4.1 | length 5.2
  Top Layer w0.5: VT4.1 -40.36,-2393.036 R8.2
NetR9_2: R9.2 VD3.2 | length 3
  Top Layer w0.5: R9.2 VD3.2
NetR10_2: R10.2 VT5.1 | length 4.5
  Top Layer w0.5: R10.2 VT5.1
NetR11_2: R11.2 VT6.1 | length 4.5
  Top Layer w0.5: R11.2 VT6.1
NetR12_2: R12.2 VD4.2 | length 3
  Top Layer w0.5: R12.2 VD4.2
NetR13_2: R13.2 VT7.1 | length 5.5
  Top Layer w0.5: VT7.1 R13.2
NetR14_2: R14.2 VT8.1 | length 5.2
  Top Layer w0.5: VT8.1 74.952,-2393.04 R14.2
NRST: C8.2 DD2.7 SB1.2 XP1.5 | length 24.6
  Top Layer w0.254: XP1.5 C8.2 21.437,-2393.021 SB1.2 21.564,-2390.617 22.462,-2389.719 24.362,-2389.719 25,-2389.081 25,-2380.381 25.326,-2380.055 DD2.7
SWCLK: DD2.49 XP1.2 | length 27.2
  Top Layer w0.254: v1(16.6,-2388.281) 16.6,-2386.904 16.604,-2386.899 DD2.49
  Bottom Layer w0.254: v1(16.6,-2388.281) 16.6,-2396.781 18.4,-2398.581 28.7,-2398.581 29.057,-2398.938 XP1.2
SWDIO: DD2.46 XP1.4 | length 34.8
  Top Layer w0.254: DD2.46 13.226,-2382.055 12.6,-2382.681 12.6,-2389.281 13.6,-2390.281 17.8,-2390.281 18.6,-2391.081 18.6,-2402.381 19.6,-2403.381 23.8,-2403.381 23.977,-2403.204 XP1.4
UART_RX: DD2.43 XS3.2 | length 24.4
  Top Layer w0.254: DD2.43 12.575,-2380.555 11.9,-2381.23 11.9,-2394.981 15.754,-2398.835 XS3.2
UART_TX: DD2.42 XS3.1 | length 25.4
  Top Layer w0.254: XS3.1 14.504,-2398.685 11.2,-2395.381 11.2,-2380.681 11.826,-2380.055 DD2.42
VCAP1: C6.2 C7.2 DD2.30 | length 4.5
  Top Layer w0.254: DD2.30 17.604,-2372.882 17.606,-2372.88 17.606,-2371.195 C7.2@19.794,-2371.195
pads on no net: DA1.4 DA1.5 DD1.28 DD2.2 DD2.3 DD2.4 DD2.8 DD2.9 DD2.10 DD2.11 DD2.20 DD2.21 DD2.24 DD2.25 DD2.28 DD2.29 DD2.33 DD2.34 DD2.35 DD2.36 DD2.37 DD2.38 DD2.39 DD2.40 DD2.41 DD2.44 DD2.45 DD2.50 DD2.51 DD2.52 DD2.53 DD2.54 DD2.55 DD2.56 DD2.57 DD2.58 DD2.59 DD2.60 DD3.28 DD4.28 DD5.28 VT1.4 VT2.4 VT3.4 VT4.4 VT5.4 VT6.4 VT7.4 VT8.4 XS1.A XS2.A

## Polygon pours and split planes (outlines as drawn)
GND on Bottom Layer "GND_L02_P001" (solid, pour order 1): 8.5,-2351.981 -62,-2351.981 -62,-2405.281 91.2,-2405.281 91.2,-2351.981
GND on Top Layer "GND_L01_P000" (solid, pour order 0): -62,-2351.981 91.2,-2351.981 91.2,-2405.281 33.4,-2405.281 -62,-2405.281

## Silkscreen, mask and mechanical layers (free items; w line width, h text height)
Mechanical 1:
  the board outline again, w0.254
Mechanical 7:
  text "BOASFORMAT|А2|1|0|834645670|233858267|1000000000|2:1|" at -81,60.619 h0
  text "DimV|39370|-41929134|31889764|976134256|-7125984|-5433071|2||||js12|False|False|False|False|2" at 0,0 h0
  text "DimH|-1614173|-39370|185118110|976094886|236221|4251968|2||||js12|False|False|False|False|2" at 389.2,-0.1 h0
  text "DimH|-115866142|0|150157481|973732681|-59330709|7362205|2||||js12|False|False|False|False|2" at 300.4,-6.1 h0
  text "DimH|-120629921|39370|152559055|934165752|-60826771|-9448819|2||||js12|False|False|False|False|2" at 306.5,-106.6 h0
  text "DimD|150196853|936527957|-8385824|5511811|1259842|2|4 отв.|||js12|False|False|False|False|2" at 321.8,-114.6 h0
  text "SET2|Superlayer=MechanicalLayer7|Wsuperlayer=MechanicalLayer8|Layergrid=MechanicalLayer9|Werase=MechanicalLayer11|Layermark=MechanicalLayer12|Layerstamp=MechanicalLayer13|Thinline=0,18|Basicline=0,6|Gridline=0,18|Boardline=0,6|Contourpolygonline=0,6|PcbGridStep=1|PcbGridNumbering=False|PcbGridCleareanceAtView=0|PcbGridNumberEach=l4|PcbGridLineEach=l2|PcbGridCountSecondaryStrip=1|PcbGridEnabledStrip=True|PcbGridHorizontal90=False|PcbGridWhiteAreaBeforeText=True|PcbSignalGridEnabled=True|PcbSignalShowBukva=True|RealSignalLayerNames=False|PcbGridEnabledBothSide=False|PcbPolarGridEnabled=False|PcbPolarGridAngleStep=10|PcbPolarGridRadialStep=10|PcbPolarGridCenterPcbGrid=False|SilkShowPad=True|SilkViewName=Слой маркировки|SilkShowHole=True|SilkShowAxis=True|SilkShowBukva=True|SilkShowGrid=False|SolderShowGrid=False|SolderViewName=Слой маски|SolderShowAxis=False|SolderShowBukva=False|MainViewShowGrid=False|MainViewMinDiameterHoles=2|MainViewUseShapesDrill=False|ShowBukvaOnSboky=True|ShowBukvaViews=True|Density=2,2|CustomHoleSizeFactor=1|TableName=Таблица 1|RazrezWidth=100|RealLayerNames=False|RazrezShowBukva=False|RazrezBukva=В-В|Sher=Rz 160|Asstoplayer=MechanicalLayer1|Asstoplayer2=None|Assbottomlayer=MechanicalLayer2|Assbottomlayer2=None|AssMinDiameterHoles=2|AssDim=False|AssMech=False|AssSilk=False|AssComponentSilk=False|AssFreeSilk=False|AssSmdPads=False|AssGridEnable=False|AssShowBukva=True|Mirror=Horisontal|PcbGridFontSize=5|PcbGridCenterZero=False|TTStampDistance=12|MainFontSize=5|PolyShtrihEnable=True|RegionShtrihEnable=False|PolyStep=2|PcbDrillDrawingGridEnabled=False|PcbDrillDrawingViewName=Слой сверловки|PcbDrillDrawingShowBukva=False|PcbDrillDrawingShowAxis=False|PcbSignalLayersUseDrill=True|PcbSignalLayersUseWhiteHoles=True|PcbSignalLayersUseShapesDrill=False|PcbSignalLayersShowAxis=False" at -81,-2479.356 h0
  text "TT0007#8. Маркировать обозначения элементов согласно ГОСТ 25486-82 шрифтом 2.5 тип Б ГОСТ 2.304-81" at -81,-2479.381 h0
  text "TT0006#7. Расстояние между печатными проводниками и контактными площадками не менее 0.2 мм" at -81,-2479.381 h0
  text "TT0005#6. Покрыть печатную плату защитной жидкой пленкой" at -81,-2479.381 h0
  text "TT0004#5. Допускается скругление углов контактных площадок" at -81,-2479.381 h0
  text "TT0003#4. Конфигурацию проводников выдерживать по координатной сетке с отклонением чертежа 0.1 мм" at -81,-2479.381 h0
  text "TT0002#3. Шаг координатной сетки 2 мм" at -81,-2479.381 h0
  text "TT0001#2. Плата должна соответствовать ГОСТ 23752-79" at -81,-2479.381 h0
  text "TT0000#1. Плату изготовить химическим методом" at -81,-2479.381 h0
  text "STAMP|Разработал|Галиулин Н. С." at -81,-2479.381 h0
  text "STAMP|Проверил|Бошляков А. А." at -81,-2479.381 h0
  text "STAMP|Техконтроль|" at -81,-2479.381 h0
  text "STAMP|Начальник отдела|" at -81,-2479.381 h0
  text "STAMP|Нормоконтроль|" at -81,-2479.381 h0
  text "STAMP|Утвердил|" at -81,-2479.381 h0
  text "STAMP|Var|" at -81,-2479.381 h0
  text "STAMP|Tech|Т.контр." at -81,-2479.381 h0
  text "STAMP|Normo|Н.контр." at -81,-2479.381 h0
  text "STAMP|Check|Пров." at -81,-2479.381 h0
  text "STAMP|Design|Разраб." at -81,-2479.381 h0
  text "STAMP|Utv|Утв." at -81,-2479.381 h0
  text "STAMP|Обозначение|СМ7.82.00.00.00" at -81,-2479.381 h0
  text "STAMP|Первичная применяемость|" at -81,-2479.381 h0
  text "STAMP|Компания1|МГТУ им. Н. Э. Баумана" at -81,-2479.381 h0
  text "STAMP|Наименование1|Плата печатная" at -81,-2479.381 h0
  text "STAMP|ТипДокумента|" at -81,-2479.381 h0
  text "STAMP|Материал1|" at -81,-2479.381 h0
  text "STAMP|Материал2|" at -81,-2479.381 h0
  text "STAMP|Масса|" at -81,-2479.381 h0
  text "STAMP|Lit|" at -81,-2479.381 h0
  text "STAMP|Наименование2|Рабочий чертеж" at -81,-2479.381 h0
  text "STAMP|Компания2|группа СМ7-82Б" at -81,-2479.381 h0
  text "BOASVIADRILLTABLE:none,157480,27,|none,280000,10," at -81,-2479.381 h0
  text "2BOASDRILLTABLE:none,236220,Да,6,True,|none,275590,Да,2,True,|none,314961,Да,6,True,|none,354331,Да,5,True,|none,393701,Да,8,True,|none,433071,Да,4,True,|none,511811,Да,24,True,|none,1181102,Да,2,True,|none,1259843,Да,4,True," at -81,-2479.381 h0
Mechanical 8:
  drawing of 20 lines, arcs and shapes, not listed
Mechanical 9:
  region: 297.826,-98.842 293.286,-96.646 294.065,-96.371 294.009,-95.546
  region: 303.174,-102.358 307.714,-104.554 306.935,-104.829 306.991,-105.654
  region: 389.2,10.7 394.2,11.358 393.7,10.7 394.2,10.042
  region: 385.1,10.7 380.1,10.042 380.6,10.7 380.1,11.358
  region: 306.5,-130.6 301.5,-131.258 302,-130.6 301.5,-129.942
  region: 0.1,-130.6 5.1,-129.942 4.6,-130.6 5.1,-131.258
  region: 300.4,12.6 295.4,11.942 295.9,12.6 295.4,13.258
  region: 6.1,12.6 11.1,13.258 10.6,12.6 11.1,11.942
  region: -18.1,0 -17.442,-5 -18.1,-4.5 -18.758,-5
  region: -18.1,-106.5 -18.758,-101.5 -18.1,-102 -17.442,-101.5
  lines w0.18: -19.1,-106.5 0.1,-106.5 0.1,-131.6 ; -19.1,0 0,0 ; -18.1,-106.5 -18.1,0 ; 0.1,-130.6 306.5,-130.6 ; 6.1,-6.1 6.1,13.6 ; 6.1,12.6 300.4,12.6 ; 291.976,-94.998 321.8,-114.6 356.926,-114.6 ; 300.4,-6.1 300.4,13.6 ; 306.5,-131.6 306.5,-106.6 ; 377.1,10.7 409.082,10.7 ; 385.1,-0.2 385.1,11.7 ; 389.2,-0.1 389.2,11.7
  lines w0.35: 341.551,-111.81 344.671,-107.13 ; 341.801,-110.057 ccw(c342.551,-110) 342.58,-110.751 ; 341.807,-110.05 cw(c343.571,-109.98) 343.794,-108.229 ; 342.59,-110.753 ccw(c342.661,-109) 344.411,-108.886 ; 343.793,-108.23 cw(c343.661,-108.97) 344.407,-108.879
  text "147js12" at 146.898,15.13 h7.68
  text "2js12" at 395.08,13.23 h7.68
  text "53js12" at -20.63,-59.289 h7.68 r90
  text "4 отв." at 326.46,-112.07 h7.68
  text "3,2js12" at 341.121,-112.07 h7.68
  text "153js12" at 148.171,-128.07 h7.68
Mechanical 13:
  lines w0.18: 323,-349.381 388,-349.381 ; 323,-344.381 388,-344.381 ; 323,-339.381 388,-339.381 ; 323,-334.381 388,-334.381 ; 323,-329.381 388,-329.381 ; 323,-314.381 388,-314.381 ; 323,-309.381 388,-309.381 ; 323,-304.381 388,-304.381 ; 462.96,-334.381 462.96,-319.381 ; 467.98,-334.381 467.98,-319.381 ; 484.7,42.719 487.8,37.319 493.4,47.119 ; -81,-359.381 513,-359.381 513,60.619 -81,60.619 -81,-359.381
  lines w0.6: -73,-329.381 -61,-329.381 ; -73,-294.381 -61,-294.381 ; -73,-269.381 -61,-269.381 ; -73,-244.381 -61,-244.381 ; -73,-127.381 -61,-127.381 ; -68,-354.381 -68,-209.381 ; -68,-187.381 -68,-67.381 ; -61,-209.381 -73,-209.381 -73,-354.381 -61,-354.381 ; -61,-187.381 -73,-187.381 -73,-67.381 -61,-67.381 ; -61,41.619 9,41.619 9,55.619 ; 323,-354.381 323,-299.381 508,-299.381 ; 323,-324.381 388,-324.381 ; 323,-319.381 388,-319.381 ; 330,-324.381 330,-299.381 ; 340,-354.381 340,-299.381 ; 363,-354.381 363,-299.381 ; 378,-354.381 378,-299.381 ; 388,-354.381 388,-299.381 508,-299.381 ; 388,-339.381 458,-339.381 508,-339.381 ; 388,-314.381 508,-314.381 ; 445,44.619 450,35.619 457.6,49.619 ; 457.7,49.619 500,49.619 ; 458,-354.381 458,-314.381 ; 458,-334.381 508,-334.381 ; 458,-319.381 473,-319.381 508,-319.381 ; 473,-334.381 473,-314.381 ; 478.57,-339.381 478.57,-334.381 ; 490,-334.381 490,-314.381 ; 508,-291.381 508,-299.381 ; -61,-354.381 508,-354.381 508,55.619 -61,55.619 -61,-354.381
  text "СМ7.82.00.00.00" at -8.244,50.816 h7.68 r180
  text "Rz 160" at 457.7,37.319 h10.75
  text "(" at 481,37.319 h10.75
  text ")" at 492,37.319 h10.75
  text "Перв. примен." at -68.962,-107.402 h5.38 r90
  text "Справ. №" at -68.962,-164.877 h5.38 r90
  text "Подп. и дата" at -68.962,-236.81 h5.38 r90
  text "Инв. № дубл." at -68.962,-266.295 h5.38 r90
  text "Взам. инв. №" at -68.962,-291.273 h5.38 r90
  text "1. Плату изготовить химическим методом / 2. Плата должна соответствовать ГОСТ 23752-79 / 3. Шаг координатной сетки 2 мм / 4. Конфигурацию проводников выдерживать по координатной сетке с отклонением чертежа 0.1 мм / 5. Допускается скругление углов контактных площадок  / 6. Покрыть печатную плату защитной жидкой пленкой  / 7. Расстояние между печатными проводниками и контактными площадками не менее 0.2 мм / 8. Маркировать обозначения элементов согласно ГОСТ 25486-82 шрифтом 2.5 тип Б ГОСТ 2.304-81" at 328,-291.381 h7.68
  text "СМ7.82.00.00.00" at 430.244,-309.078 h7.68
  text "Лит." at 462.194,-318.419 h5.38
  text "Масса" at 476.916,-318.419 h5.38
  text "Масштаб" at 491.836,-318.419 h5.38
  text "Подп. и дата" at -68.962,-321.31 h5.38 r90
  text "Плата печатная" at 404.601,-321.578 h7.68
  text "Изм." at 323.569,-323.419 h5.38
  text "Лист" at 330.858,-323.419 h5.38
  text "№ докум." at 345,-323.419 h5.38
  text "Подп." at 366.773,-323.419 h5.38
  text "Дата" at 378.793,-323.419 h5.38
  text "Разраб." at 323.533,-328.61 h5.38
  text "Галиулин Н. С." at 340.68,-328.61 h5.38
  text "38 г" at 476.644,-329.078 h7.68
  text "2:1" at 495.787,-329.078 h7.68
  text "Рабочий чертеж" at 404.725,-329.578 h7.68
  text "Пров." at 323.533,-333.61 h5.38
  text "Бошляков А. А." at 340.68,-333.61 h5.25
  text "Т.контр." at 323.533,-338.61 h5.38
  text "Лист" at 459.442,-338.61 h5.38
  text "Листов" at 480.485,-338.61 h5.38
  text "1" at 500.4,-338.61 h5.38
  text "МГТУ им. Н. Э. Баумана" at 458.5,-346.011 h7.45
  text "Н.контр." at 323.533,-348.61 h5.38
  text "Инв. № подл." at -68.962,-351.295 h5.38 r90
  text "группа СМ7-82Б" at 464.491,-352.078 h7.68
  text "Утв." at 323.533,-353.61 h5.38
  text "Копировал" at 398.533,-358.61 h5.38
  text "Формат А2" at 479.121,-358.61 h5.38

## Text inside footprints (layer, text, board x,y; h text height)
ZBOAS318886786: Mechanical 7 "152" at 300.124,-284.878 h8.75; Mechanical 7 "148" at 292.023,-284.878 h8.75; Mechanical 7 "144" at 284.408,-284.878 h8.75; Mechanical 7 "140" at 275.934,-284.878 h8.75; Mechanical 7 "136" at 268.339,-284.878 h8.75; Mechanical 7 "132" at 260.124,-284.878 h8.75; Mechanical 7 "128" at 252.023,-284.878 h8.75; Mechanical 7 "124" at 244.408,-284.878 h8.75; Mechanical 7 "120" at 235.934,-284.878 h8.75; Mechanical 7 "116" at 228.695,-284.878 h8.75; Mechanical 7 "112" at 220.481,-284.878 h8.75; Mechanical 7 "108" at 212.023,-284.878 h8.75; Mechanical 7 "104" at 204.408,-284.878 h8.75; Mechanical 7 "100" at 195.934,-284.878 h8.75; Mechanical 7 "96" at 189.052,-284.878 h8.75; Mechanical 7 "92" at 180.837,-284.878 h8.75; Mechanical 7 "88" at 172.687,-284.878 h8.75; Mechanical 7 "84" at 165.072,-284.878 h8.75; Mechanical 7 "80" at 156.598,-284.878 h8.75; Mechanical 7 "76" at 149.23,-284.878 h8.75; Mechanical 7 "72" at 141.015,-284.878 h8.75; Mechanical 7 "68" at 132.687,-284.878 h8.75; Mechanical 7 "64" at 125.072,-284.878 h8.75; Mechanical 7 "60" at 116.598,-284.878 h8.75; Mechanical 7 "56" at 108.873,-284.878 h8.75; Mechanical 7 "52" at 100.659,-284.878 h8.75; Mechanical 7 "48" at 92.74,-284.878 h8.75; Mechanical 7 "44" at 85.124,-284.878 h8.75; Mechanical 7 "40" at 76.651,-284.878 h8.75; Mechanical 7 "36" at 68.873,-284.878 h8.75; Mechanical 7 "32" at 60.659,-284.878 h8.75; Mechanical 7 "28" at 52.557,-284.878 h8.75; Mechanical 7 "24" at 44.942,-284.878 h8.75; Mechanical 7 "20" at 36.468,-284.878 h8.75; Mechanical 7 "16" at 29.768,-284.878 h8.75; Mechanical 7 "12" at 21.554,-284.878 h8.75; Mechanical 7 "8" at 14.295,-284.878 h8.75; Mechanical 7 "4" at 6.732,-284.878 h8.75; Mechanical 7 "0" at -1.794,-284.878 h8.75; Mechanical 7 "52" at -10.683,-173.503 h8.75; Mechanical 7 "48" at -10.521,-181.503 h8.75; Mechanical 7 "44" at -9.751,-189.503 h8.75; Mechanical 7 "40" at -10.699,-197.503 h8.75; Mechanical 7 "36" at -10.253,-205.503 h8.75; Mechanical 7 "32" at -10.683,-213.503 h8.75; Mechanical 7 "28" at -10.885,-221.503 h8.75; Mechanical 7 "24" at -10.116,-229.503 h8.75; Mechanical 7 "20" at -11.063,-237.503 h8.75; Mechanical 7 "16" at -8.463,-245.503 h8.75; Mechanical 7 "12" at -8.892,-253.503 h8.75; Mechanical 7 "8" at -7.41,-261.503 h8.75; Mechanical 7 "4" at -6.535,-269.503 h8.75; Mechanical 7 "0" at -7.588,-277.503 h8.75
ZBOAS319293416: Mechanical 7 "152" at 300.224,-116.478 h8.75; Mechanical 7 "148" at 292.123,-116.478 h8.75; Mechanical 7 "144" at 284.508,-116.478 h8.75; Mechanical 7 "140" at 276.034,-116.478 h8.75; Mechanical 7 "136" at 268.439,-116.478 h8.75; Mechanical 7 "132" at 260.224,-116.478 h8.75; Mechanical 7 "128" at 252.123,-116.478 h8.75; Mechanical 7 "124" at 244.508,-116.478 h8.75; Mechanical 7 "120" at 236.034,-116.478 h8.75; Mechanical 7 "116" at 228.795,-116.478 h8.75; Mechanical 7 "112" at 220.581,-116.478 h8.75; Mechanical 7 "108" at 212.123,-116.478 h8.75; Mechanical 7 "104" at 204.508,-116.478 h8.75; Mechanical 7 "100" at 196.034,-116.478 h8.75; Mechanical 7 "96" at 189.152,-116.478 h8.75; Mechanical 7 "92" at 180.937,-116.478 h8.75; Mechanical 7 "88" at 172.787,-116.478 h8.75; Mechanical 7 "84" at 165.172,-116.478 h8.75; Mechanical 7 "80" at 156.698,-116.478 h8.75; Mechanical 7 "76" at 149.33,-116.478 h8.75; Mechanical 7 "72" at 141.115,-116.478 h8.75; Mechanical 7 "68" at 132.787,-116.478 h8.75; Mechanical 7 "64" at 125.172,-116.478 h8.75; Mechanical 7 "60" at 116.698,-116.478 h8.75; Mechanical 7 "56" at 108.973,-116.478 h8.75; Mechanical 7 "52" at 100.759,-116.478 h8.75; Mechanical 7 "48" at 92.84,-116.478 h8.75; Mechanical 7 "44" at 85.224,-116.478 h8.75; Mechanical 7 "40" at 76.751,-116.478 h8.75; Mechanical 7 "36" at 68.973,-116.478 h8.75; Mechanical 7 "32" at 60.759,-116.478 h8.75; Mechanical 7 "28" at 52.657,-116.478 h8.75; Mechanical 7 "24" at 45.042,-116.478 h8.75; Mechanical 7 "20" at 36.568,-116.478 h8.75; Mechanical 7 "16" at 29.868,-116.478 h8.75; Mechanical 7 "12" at 21.654,-116.478 h8.75; Mechanical 7 "8" at 14.395,-116.478 h8.75; Mechanical 7 "4" at 6.832,-116.478 h8.75; Mechanical 7 "0" at -1.694,-116.478 h8.75; Mechanical 7 "52" at -10.583,-5.103 h8.75; Mechanical 7 "48" at -10.421,-13.103 h8.75; Mechanical 7 "44" at -9.651,-21.103 h8.75; Mechanical 7 "40" at -10.599,-29.103 h8.75; Mechanical 7 "36" at -10.153,-37.103 h8.75; Mechanical 7 "32" at -10.583,-45.103 h8.75; Mechanical 7 "28" at -10.785,-53.103 h8.75; Mechanical 7 "24" at -10.016,-61.103 h8.75; Mechanical 7 "20" at -10.963,-69.103 h8.75; Mechanical 7 "16" at -8.363,-77.103 h8.75; Mechanical 7 "12" at -8.792,-85.103 h8.75; Mechanical 7 "8" at -7.31,-93.103 h8.75; Mechanical 7 "4" at -6.435,-101.103 h8.75; Mechanical 7 "0" at -7.488,-109.103 h8.75